# Allegro board IMX7D EVK BOARD REV D_160314.brd (continued)
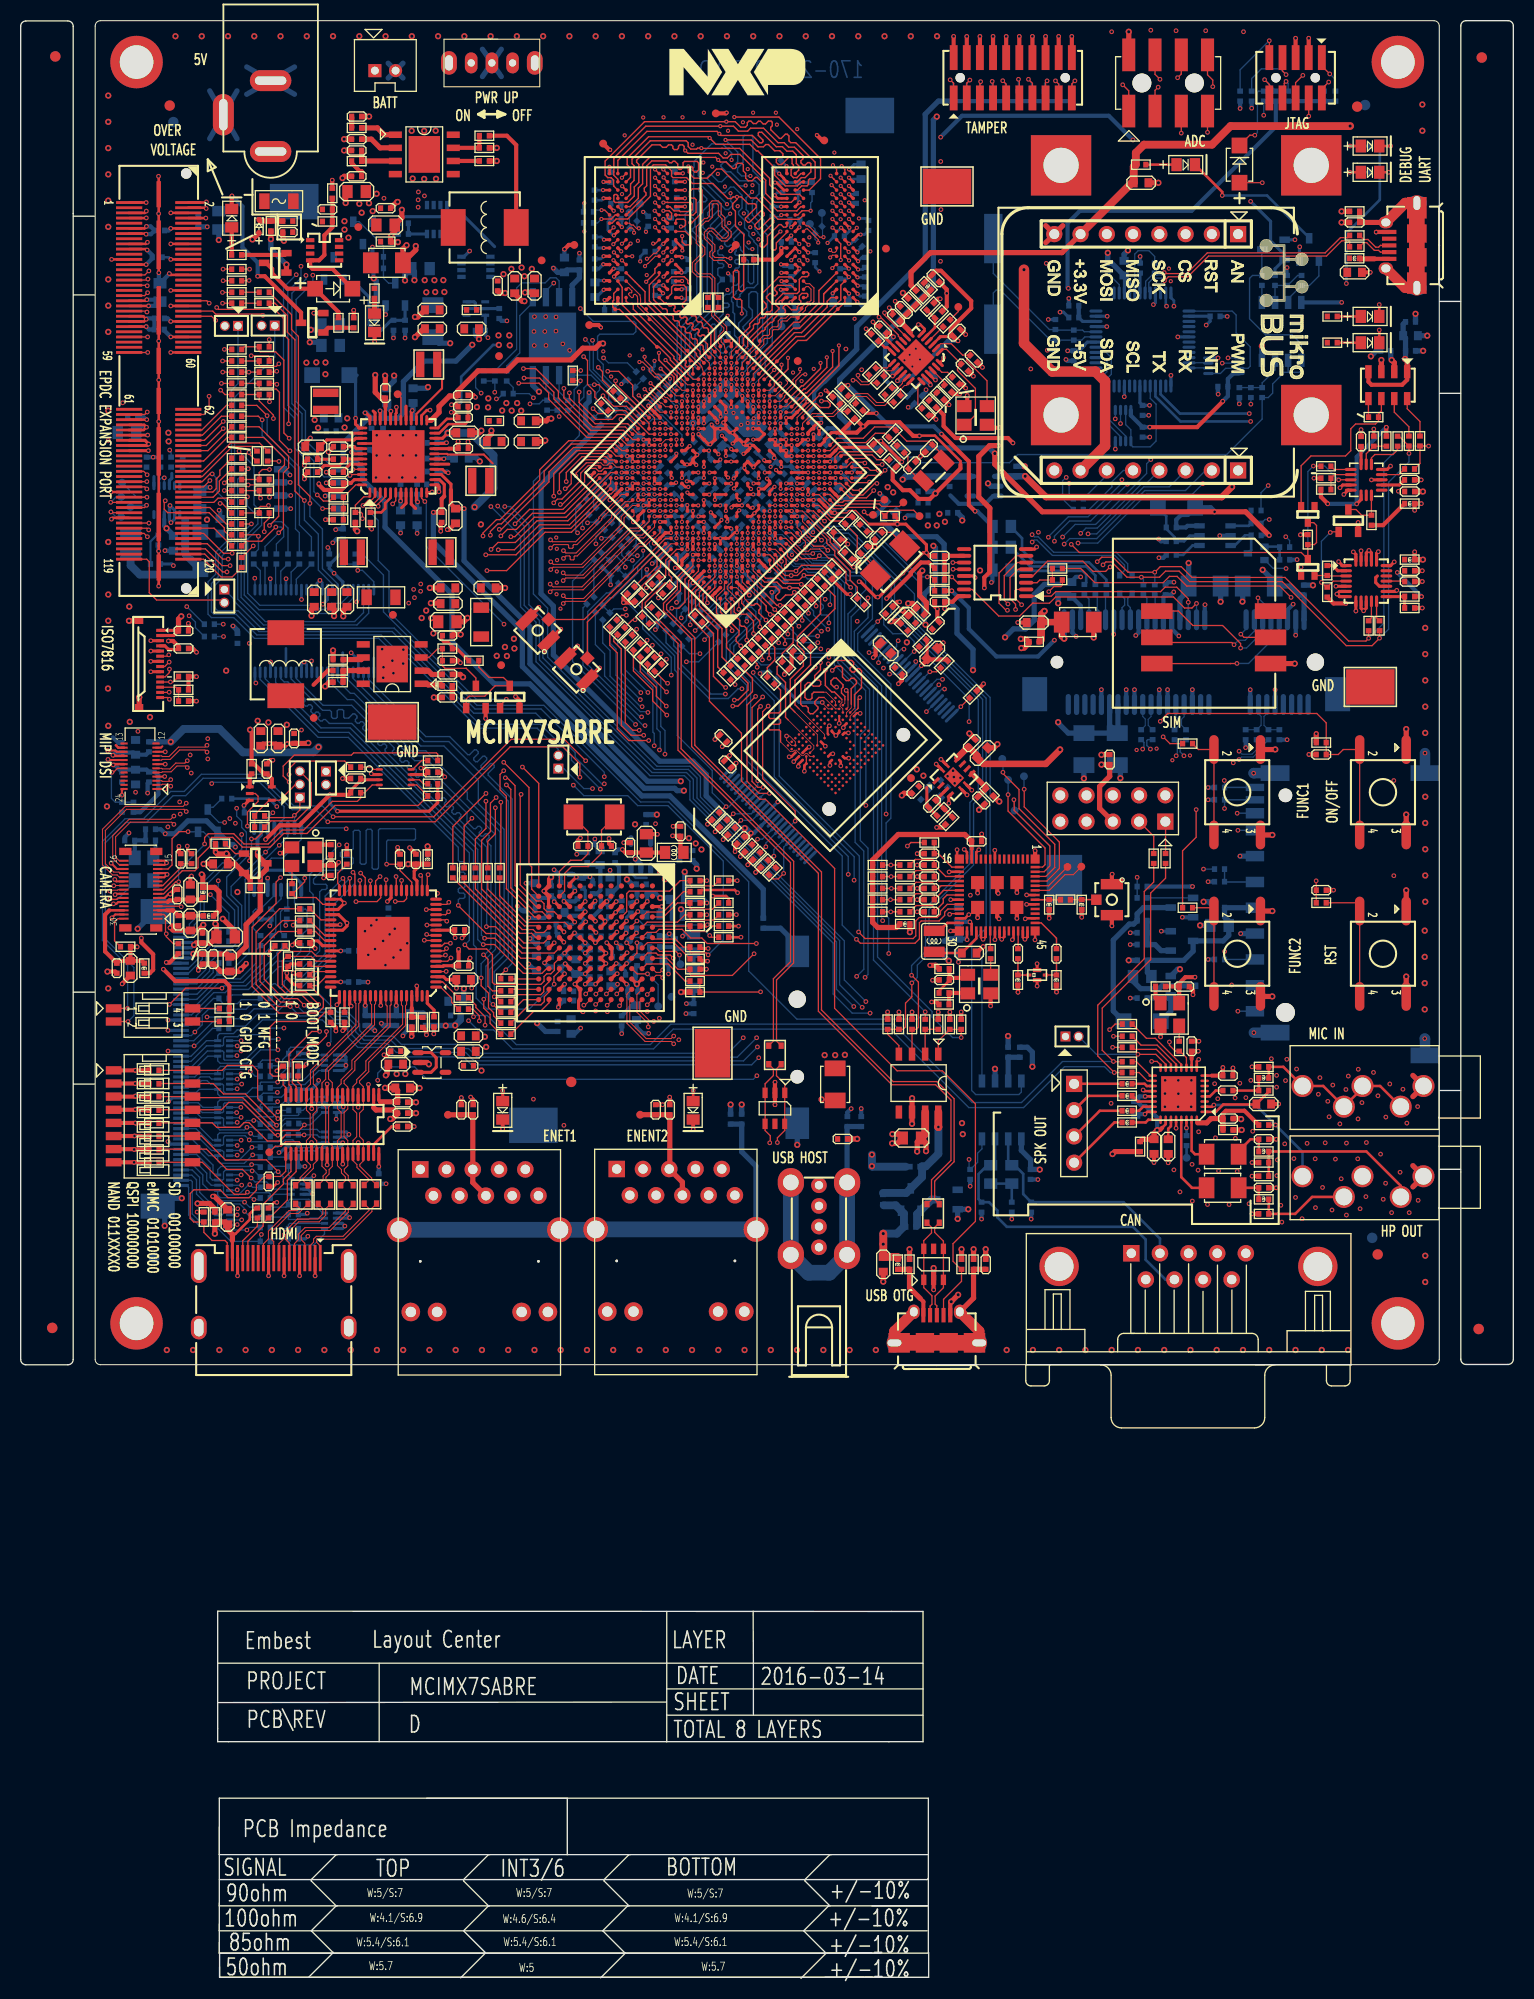
[diagram p0: board, top side]
## Footprints (pads in the part's own frame, mm; a bottom-side part is the same pattern mirrored in y, then rotated) (continued)
TSSOP48P5G
  oval 0.279x1.143 smd: 1(-5.75,-4) 2(-5.25,-4) 3(-4.75,-4) 4(-4.25,-4) 5(-3.75,-4) 6(-3.25,-4) 7(-2.75,-4) 8(-2.25,-4) 9(-1.75,-4) 10(-1.25,-4) 11(-0.75,-4) 12(-0.25,-4) 13(0.25,-4) 14(0.75,-4) 15(1.25,-4) 16(1.75,-4) 17(2.25,-4) 18(2.75,-4) 19(3.25,-4) 20(3.75,-4) 21(4.25,-4) 22(4.75,-4) 23(5.25,-4) 24(5.75,-4) 25(5.75,4) 26(5.25,4) 27(4.75,4) 28(4.25,4) 29(3.75,4) 30(3.25,4) 31(2.75,4) 32(2.25,4) 33(1.75,4) 34(1.25,4) 35(0.75,4) 36(0.25,4) 37(-0.25,4) 38(-0.75,4) 39(-1.25,4) 40(-1.75,4) 41(-2.25,4) 42(-2.75,4) 43(-3.25,4) 44(-3.75,4) 45(-4.25,4) 46(-4.75,4) 47(-5.25,4) 48(-5.75,4)
unnamed
  round 5.08 hole 3.251: 1(0,0)
unnamed#2
  round 1.016 smd: 1(0,0)
USB4_4AS
  round 1.519 hole 0.81: 1(5.54,0) 2(3.54,0) 3(1.54,0) 4(-0.46,0)
  oval 2.789x2.54 hole 1.519: 5(-0.73,2.72) 6(6.27,2.72) 7(-0.73,-2.72) 8(6.27,-2.72)
USBMICRO5_6A
  rect 0.406x1.397 smd: 1(-1.3,4.125) 2(-0.65,4.125) 3(0,4.125) 4(0.65,4.125) 5(1.3,4.125)
  oval 1.143x1.397 hole 0.762x0.889: 6(-2.225,4.45) 7(2.225,4.45)
  rect 2.083x1.905 hole 1.346x0.66: 8(-4.1,1.45) 11(4.1,1.45)
  rect 1.778x1.905 smd: 9(-1.15,1.45) 10(1.15,1.45)
X2S32X15
  rect 1.143x1.905 smd: 1(-1.4,0) 2(1.4,0)
X2S50X32
  rect 1.905x2.413 smd: 1(-2,0) 2(2,0)
X2S115X5
  rect 4.775x1.778 smd: 1(-4.318,0) 2(4.445,0)
X4S32X25
  rect 1.422x1.168 smd: 1(-1.1,-0.9) 2(1.1,-0.9) 3(1.1,0.9) 4(-1.1,0.9)

## Nets
3V3OUT: C240.1 U18.6(3V3OUT)
5VIN: C394.1 C395.1 F1.2 Q2.1(S1) Q2.2(S2) Q2.3(S3) Q17.2(EMITTER) R4.1 R538.1 R539.1
5VIN_DC_JACK: F1.1 J1.1(PIN)
AVDDL_CLK_ENET: C330.1 C331.1 C392.1 L47.2 U31.G4(AVDDL_CLK)
AVDDL_ENET: C332.1 C333.1 C412.1 L49.2 U31.F10(AVDDL1) U31.G10(AVDDL2)
GND: C1.2 C2.2 C3.2 C4.2 C5.2 C6.2 C7.2 C8.2 C9.2 C10.2 C11.2 C12.2 C13.2 C14.2 C15.2 C16.2 C17.2 C18.2 C19.2 C20.2 C21.2 C22.2 C23.2 C25.2 C26.2 C27.2 C28.2 C29.2 C30.2 C31.2 C32.2 C33.2 C34.2 C35.2 C36.2 C37.2 C38.2 C39.2 C40.2 C41.2 C42.2 C43.2 C44.2 C45.2 C46.2 C47.2 C48.2 C49.2 C50.2 C51.2 C52.2 C53.2 C54.2 C55.2 C56.2 C57.2 C58.2 C59.2 C60.2 C61.2 C62.2 C63.2 C64.2 C65.2 C66.2 C67.2 C68.2 C69.2 C70.2 C71.2 C72.2 C73.2 C74.2 C75.2 C76.2 C77.2 C78.2 C79.2 C80.2 C81.2 C82.2 C83.2 C84.2 C85.2 C86.2 C87.2 C88.2 C89.2 C90.2 C91.2 C92.2 C93.2 C94.2 C95.2 C96.2 C97.2 C98.2 C99.2 C100.2 C101.2 C102.2 C103.2 C104.2 C105.2 C106.2 C107.2 C108.2 C109.2 C110.2 C111.2 C112.2 C113.2 C114.2 C115.2 C116.2 C117.2 C118.2 C119.2 C120.2 C121.2 C122.2 C123.2 C124.2 C125.2 C126.2 C127.2 C128.2 C129.2 C130.2 C131.2 C136.2 C137.2 C138.2 C139.2 C140.2 C141.2 C142.2 C143.2 C144.2 C145.2 C146.2 C147.2 C148.2 C149.2 C150.2 C151.2 C152.2 C153.2 C154.2 C155.2 C156.2 C157.2 C158.2 C159.2 C160.2 C161.2 C162.2 C163.2 C164.2 C165.2 C166.2 C167.2 C168.2 C169.2 C170.2 C171.2 C172.2 C173.2 C174.2 C175.2 C176.2 C177.2 C178.2 C179.2 C180.2 C181.2 C182.2 C183.2 C184.2 C185.2 C186.2 C187.2 C188.2 C189.2 C190.2 C191.2 C192.2 C193.2 C195.2 C196.2 C197.2 C198.2 C199.2 C200.2 C201.2 C202.2 C203.2 C204.2 C205.2 C206.2 C209.2 C210.2 C211.2 C212.2 C213.2 C214.2 C215.2 C216.2 C217.2 C218.2 C219.2 C220.2 C221.2 C222.2 C223.2 C224.2 C225.2 C226.2 C227.2 C228.2 C229.1 C230.1 C231.2 C232.2 C233.2 C235.2 C237.2 C238.2 C239.2 C240.2 C241.2 C242.2 C243.1 C244.1 C245.2 C246.2 C247.2 C248.2 C249.2 C250.2 C251.2 C252.2 C253.2 C254.2 C255.2 C256.2 C257.2 C258.2 C259.2 C260.2 C261.2 C262.2 C263.2 C264.2 C265.2 C266.2 C267.2 C268.2 C269.2 C270.2 C271.2 C272.2 C273.2 C278.2 C279.2 C280.2 C281.2 C282.2 C283.2 C284.2 C298.2 C299.2 C300.1 C301.2 C302.2 C307.2 C308.2 C309.2 C310.2 C311.2 C313.2 C315.2 C316.2 C317.2 C318.2 C319.2 C320.2 C321.2 C322.2 C323.2 C324.2 C325.2 C326.2 C327.2 C328.2 C329.2 C330.2 C331.2 C332.2 C333.2 C334.2 C335.2 C336.2 C337.2 C338.2 C340.2 C341.2 C342.2 C343.2 C344.2 C345.2 C346.2 C347.2 C348.2 C349.2 C350.2 C351.2 C352.2 C353.2 C354.2 C355.2 C356.1 C357.2 C358.2 C359.2 C360.2 C361.2 C362.2 C363.2 C365.1 C366.2 C367.2 C368.2 C369.2 C370.2 C374.2 C375.2 C376.2 C378.2 C379.2 C380.2 C381.2 C383.2 C384.2 C385.2 C386.2 C387.2 C388.2 C389.2 C390.2 C391.2 C392.2 C393.2 C395.2 C396.2 C397.2 C398.2 C399.2 C400.2 C401.2 C404.2 C405.2 C406.1 C407.2 C408.2 C409.2 C410.2 C411.2 C412.2 C413.2 C414.2 C415.2 C416.2 C417.2 C418.2 C419.2 C420.1 C421.1 C422.1 C423.1 C426.2 C427.2 C428.2 C429.2 C430.2 C431.2 C432.2 C433.2 C434.2 C435.2 C438.2 C439.2 C444.2 C445.2 C446.2 C447.2 C448.2 C449.2 C450.2 C451.2 C452.2 C453.2 C454.2 C455.2 C456.2 C457.2 C460.2 C461.2 D1.2(CATHODE) D12.2(CATHODE) D13.2(CATHODE) D17.1(ANODE) D22.1 FL1.1(GND1) FL1.3(GND2) J1.2 J1.3(1) J2.2 J3.2(GND) J4.2(GND1) J4.3(GND2) J5.2(GND1) J5.3(GND2) J6.3(GND1) J6.6(GND2) J6.12(GND3) J6.13(GND4) J6.14(GND5) J6.15(GND6) J7.4(GND) J8.4(GND#4) J8.9(GND#9) J8.15(GND#15) J8.18(GND#18) J8.21(GND#21) J8.26(GND#26) J8.27(GND#27) J8.29(GND#29) J8.34(GND#34) J8.35(GND#35) J8.37(GND#37) J8.40(GND#40) J8.43(GND#43) J8.50(GND#50) J9.2 J9.5 J9.8 J9.11 J9.17 J9.20 J9.21 J9.22 J9.23 J10.2(GND1) J10.3(GND2) J11.5(P5) J12.3(GND#3) J12.5(GND#5) J13.6 J13.12 J13.18 J13.23 J13.24 J13.30 J13.36 J13.42 J13.48 J13.54 J13.60 J13.93 J13.103 J13.SH1 J13.SH2 J13.SH3 J13.SH4 J13.SH5 J13.SH6 J13.SH7 J13.SH8 J14.9(GND#9) J14.18(GND#18) J14.27(GND#27) J14.31(GND#31) J14.33(GND#33) J14.44(GND#44) J14.51 J14.52 J15.1 J16.1 J18.3(GND#3) J18.5(GND#5) J18.7(GND#7) J18.9(GND#9) J18.15(SH1) J18.16(SH2) J19.5 J19.6 J19.10(GND1) J19.11(GND2) J20.2 J22.2 J25.5(P5) J26.4(GND) J27.12(GRLC) J27.14(YELA) J28.12(GRLC) J28.14(YELA) J29.6(DGND1) J29.11(DNGD2) J29.12(DNGD3) J29.14(DGND4) J29.15(DGND5) J29.18(DGND6) J29.21(DGND7) J29.24(DGND8) J29.26(DGND9) J29.29(DGND10) J30.1(GND1) J30.4(GND2) J30.7(GND3) J30.10(GND4) J30.15(GND5) J30.17(GND6) J30.24(GND7) J31.2 J31.4 J31.6 J31.8 J31.10 J31.12 J31.14 J31.16 J31.18 J31.20 J32.8 J33.8 L16.1 L17.1 L55.1 L56.1 Q5.2(SOURCE) Q7.2(SOURCE) Q8.2(EMITTER) Q16.2(SOURCE) Q22.2(SOURCE) Q25.2(SOURCE) Q29.2(SOURCE) Q30.2(SOURCE) Q31.2(SOURCE) R8.2 R13.2 R15.2 R17.2 R18.2 R35.1 R66.2 R67.2 R68.2 R70.2 R71.2 R75.2 R76.2 R80.2 R81.1 R82.1 R83.1 R84.1 R86.1 R87.2 R88.2 R89.2 R133.2 R135.2 R136.1 R138.1 R140.2 R141.2 R146.2 R163.1 R174.2 R250.1 R251.1 R254.2 R256.2 R258.2 R261.2 R262.2 R272.2 R273.2 R274.2 R275.2 R276.2 R277.2 R278.2 R282.2 R283.2 R294.2 R324.2 R330.2 R341.2 R349.1 R361.2 R364.2 R367.2 R370.1 R480.2 R490.2 R493.2 R547.2 R549.2 R551.2 R567.1 R568.1 R602.1 R603.1 R604.1 R606.1 R608.1 R609.1 R611.2 R614.2 R615.1 R616.2 R625.1 R626.1 R629.2 R634.2 R635.2 R641.1 RN19.1 RN19.3 RN19.5 RN19.7 RN20.1 RN20.3 RN20.5 RN20.7 RN21.1 RN21.3 RN21.5 RN21.7 RN22.1 RN22.3 RN22.5 RN22.7 RN23.1 RN23.3 RN23.5 RN23.7 S1.1 S1.3 S2.1 S2.3 S3.1 S3.3 S4.1 S4.3 SW1.2(COM) TP14.1(PIN1) TP58.1(PIN1) TP60.1(PIN1) TP61.1(PIN1) TP62.1(PIN1) TP63.1(PIN1) TP64.1(PIN1) TP65.1(PIN1) TP66.1(PIN1) TP68.1(PIN1) TP69.1(PIN1) TP70.1(PIN1) TP71.1(PIN1) TP72.1(PIN1) TP73.1(PIN1) TP74.1(PIN1) TP75.1(PIN1) TVS1.1(A1) TVS2.1(A1) TVS3.1(A1) TVS4.1(A1) TVS5.1(A1) TVS6.1(A1) U2.9(GND) U3.9(GND) U4.12(GNDREF1) U4.26(GNDREF2) U4.31(VPWR) U4.40(GNDREF) U4.49(EPAD) U7.A1(VSS_001) U7.A3(VSS_002) U7.A6(VSS_003) U7.A9(VSS_004) U7.A13(VSS_005) U7.A17(VSS_006) U7.A21(VSS_007) U7.A25(VSS_008) U7.AA1(VSS_111) U7.AA2(VSS_112) U7.AA6(VSS_113) U7.AA8(VSS_114) U7.AA15(VSS_115) U7.AA23(VSS_116) U7.AB4(VSS_117) U7.AB5(VSS_118) U7.AB7(VSS_119) U7.AB9(VSS_120) U7.AB12(VSS_121) U7.AC6(VSS_122) U7.AC9(VSS_123) U7.AC12(VSS_124) U7.AC15(VSS_125) U7.AC17(VSS_126) U7.AC19(VSS_127) U7.AC21(VSS_128) U7.AC23(VSS_129) U7.AD2(VSS_130) U7.AD5(VSS_131) U7.AD7(VSS_132) U7.AD9(VSS_133) U7.AD12(VSS_134) U7.AE1(VSS_135) U7.AE5(VSS_136) U7.AE7(VSS_137) U7.AE9(VSS_138) U7.AE12(VSS_139) U7.AE24(VSS_140) U7.AE25(VSS_141) U7.B3(VSS_009) U7.B6(VSS_010) U7.B9(VSS_011) U7.B13(VSS_012) U7.B17(VSS_013) U7.B21(VSS_014) U7.C9(VSS_015) U7.C13(VSS_016) U7.C15(VSS_017) U7.C16(VSS_018) U7.C18(VSS_019) U7.C19(VSS_020) U7.D1(VSS_021) U7.D2(VSS_022) U7.D4(VSS_023) U7.D7(VSS_024) U7.D10(VSS_025) U7.D22(VSS_026) U7.F7(VSS_027) U7.F8(VSS_028) U7.F11(VSS_029) U7.F13(VSS_030) U7.G4(VSS_031) U7.G7(VSS_032) U7.G9(VSS_033) U7.G11(VSS_034) U7.G13(VSS_035) U7.G15(VSS_036) U7.G17(VSS_037) U7.G19(VSS_038) U7.G22(VSS_039) U7.H1(VSS_040) U7.H2(VSS_041) U7.J7(VSS_042) U7.J19(VSS_043) U7.K4(VSS_044) U7.K10(VSS_045) U7.K12(VSS_046) U7.K14(VSS_047) U7.K16(VSS_048) U7.K22(VSS_049) U7.L7(VSS_050) U7.L11(VSS_051) U7.L13(VSS_052) U7.L15(VSS_053) U7.L19(VSS_054) U7.M10(VSS_055) U7.M12(VSS_056) U7.M14(VSS_057) U7.M16(VSS_058) U7.M24(VSS_059) U7.M25(VSS_060) U7.N4(VSS_061) U7.N7(VSS_062) U7.N11(VSS_063) U7.N13(VSS_064) U7.N15(VSS_065) U7.N19(VSS_066) U7.P10(VSS_067) U7.P12(VSS_068) U7.P14(VSS_069) U7.P16(VSS_070) U7.R7(VSS_071) U7.R11(VSS_072) U7.R13(VSS_073) U7.R15(VSS_074) U7.R19(VSS_075) U7.R20(VSS_076) U7.R21(VSS_077) U7.R23(VSS_078) U7.T4(VSS_079) U7.T10(VSS_080) U7.T12(VSS_081) U7.T14(VSS_082) U7.T16(VSS_083) U7.T20(VSS_084) U7.U7(VSS_085) U7.U11(VSS_086) U7.U19(VSS_087) U7.U20(VSS_088) U7.U23(VSS_089) U7.V20(VSS_090) U7.W1(VSS_091) U7.W2(VSS_092) U7.W4(VSS_093) U7.W7(VSS_094) U7.W9(VSS_095) U7.W11(VSS_096) U7.W13(VSS_097) U7.W15(VSS_098) U7.W17(VSS_099) U7.W19(VSS_100) U7.W20(VSS_101) U7.W23(VSS_102) U7.Y6(VSS_103) U7.Y13(VSS_104) U7.Y14(VSS_105) U7.Y15(VSS_106) U7.Y16(VSS_107) U7.Y17(VSS_108) U7.Y18(VSS_109) U7.Y19(VSS_110) U8.A9(VSS1) U8.B1(VSSQ1) U8.B3(VSS2) U8.B9(VSSQ2) U8.D1(VSSQ3) U8.D8(VSSQ4) U8.E1(VSS3) U8.E2(VSSQ5) U8.E8(VSSQ6) U8.F9(VSSQ7) U8.G1(VSSQ8) U8.G8(VSS4) U8.G9(VSSQ9) U8.J2(VSS5) U8.J8(VSS6) U8.M1(VSS7) U8.M9(VSS8) U8.P1(VSS9) U8.P9(VSS10) U8.T1(VSS11) U8.T9(VSS12) U9.A9(VSS1) U9.B1(VSSQ1) U9.B3(VSS2) U9.B9(VSSQ2) U9.D1(VSSQ3) U9.D8(VSSQ4) U9.E1(VSS3) U9.E2(VSSQ5) U9.E8(VSSQ6) U9.F9(VSSQ7) U9.G1(VSSQ8) U9.G8(VSS4) U9.G9(VSSQ9) U9.J2(VSS5) U9.J8(VSS6) U9.M1(VSS7) U9.M9(VSS8) U9.P1(VSS9) U9.P9(VSS10) U9.T1(VSS11) U9.T9(VSS12) U10.A6(VSS#A6) U10.C4(VSSQ#C4) U10.E7(VSS#E7) U10.G5(VSS#G5) U10.H10(VSS#H10) U10.J5(VSS#J5) U10.K8(VSS#K8) U10.N2(VSSQ#N2) U10.N5(VSSQ#N5) U10.P4(VSSQ#P4) U10.P6(VSSQ#P6) U11.4(VSS) U11.9(EPAD) U12.13(VSS#13) U12.36(VSS#36) U13.37(SD3) U13.39(SD2) U13.40(SD1) U13.43(CGND) U13.55(RSVDL) U13.57(IOGND) U13.63(AGND) U13.70(VDDQ) U13.73(EPAD) U14.2(GND) U15.3(GND3) U15.5(TMDS_GND5) U15.8(TMDS_GND_8) U15.11(TMDS_GND_11) U15.14(TMDS_GND_14) U15.25(TMDS_GND_25) U15.28(TMDS_GND_28) U15.31(TMDS_GND_31) U15.34(TMDS_GND_34) U15.36(GND36) U16.1(GND#1) U16.9(GND#9) U16.13(GND#13) U16.15(GND#15) U16.16(GND#16) U16.18(GND#18) U16.24(GND#24) U16.28(GND#28) U16.30(GND#30) U16.34(GND#34) U16.35(GND#35) U16.37(GND#37) U16.38(GND#38) U16.39(GND#39) U16.41(GND#41) U16.43(GND#43) U16.44(GND#44) U16.45(GND#45) U16.47(GND#47) U16.50(GND#50) U16.52(GND#52) U16.59(GND#59) U16.60(GND#60) U16.61(GND#61) U16.62(GND#62) U16.63(GND#63) U16.64(GND#64) U17.4(GND) U18.9(GND#9) U18.18(GND#18) U18.25(GND#25) U18.34(GND#34) U18.45(AGND) U18.47(TEST) U19.4(GND) U20.1(GND#1) U20.5(GND#5) U20.6(RESERVED1) U20.7(RESERVED2) U20.8(IIC_B/SPI) U20.9(RESERVED3) U20.10(RESERVED4) U20.14(GND#14) U20.19(GND#19) U20.20(RESERVED5) U20.21(RESERVED6) U20.22(RESERVED7) U20.23(RESERVED8) U20.24(RESERVED9) U21.3(RESERVED1) U21.5(GND#5) U21.12(GND#12) U21.13(RESERVED2) U22.3(GND) U23.6(GND) U24.9(DGND) U24.20(SPKGND2) U24.24(SPKGND1) U24.28(AGND) U24.33(GND_PADDLE) U25.2(GND) U27.2(GND) U28.2(GND) U30.6(GND) U31.A3(GND_1) U31.B10(GND_2) U31.C3(GND_3) U31.C6(GND_4) U31.C10(GND_5) U31.E3(GND_6) U31.E7(GND_7) U31.E8(GND_8) U31.F4(GND_9) U31.F5(GND_10) U31.F6(GND_11) U31.G3(GND_12) U31.G5(GND_13) U31.G6(GND_14) U31.G7(GND_15) U31.G8(GND_16) U31.G9(GND_17) U31.H6(GND_18) U31.H10(GND_19) U31.H11(GND_20) U31.H12(GND_21) U31.J1(GND_22) U31.J9(GND_23) U31.K10(GND_24) U31.K11(GND_25) U31.K12(GND_26) U31.L1(GND_27) U31.L2(GND_28) U31.L3(GND_29) U31.L8(GND_30) U33.2(GND) U35.4(GND) U35.9(EP1) U35.10(EP2) U35.11(EP3) U35.12(EP4) U35.13(EP5) U36.4(GND#4) U36.10(GND#10) U36.13(2B0) U36.14(2B1) U36.15(GND#15) U36.21(GND#21) U36.24(2DIR) U36.28(GND#28) U36.34(GND#34) U36.37(1A7) U36.38(1A6) U36.39(GND#39) U36.45(GND#45) U37.2(VSS) U38.8(GND) U38.13(O\E\) U39.3(GND) U40.4(V-) U41.1(A0) U41.2(A1) U41.3(A2) U41.4(VSS) U41.7(WP) U42.6(GNDDIG) U42.10(GND_1) U42.15(GNDA) U42.21(GND_2) U42.24(GNDXTAL) U42.25(EPAD) U43.8(PGND) U43.9(AGND) U44.2(GND) U45.2(GND) X1.2(GND) X2.2(GND) X3.2(GND) X4.2(GND) Y3.2 Y3.4
GND_EARTH: C353.1 J27.15(GND#15) J27.16(GND#16) J28.15(GND#15) J28.16(GND#16) R258.1
PVCC_ENET_CAP: C115.1 U7.H14(PVCC_ENET_CAP)
PVCC_GPIO_CAP: C100.1 U7.V10(PVCC_GPIO_CAP)
PVCC_I2C_SPI_UART_CAP: C128.1 U7.R9(PVCC_I2C_SPI_UART_CAP)
PVCC_SAI_SD_CAP: C111.1 U7.J9(PVCC_SAI_SD_CAP)
VCCI_EMMC: C191.1 U10.C2(VDDI)
VDD_1P2_CAP: C88.1 C89.1 U7.H12(USB_VDD_H_1P2) U7.U9(VDD_1P2_CAP)
VDD_ARM_IN: C63.1 C64.1 C65.1 C71.1 C72.1 C73.1 R20.1 TP4.1(PIN1) U4.6(SW1AFB) U7.C17(VDD_ARM_IN_01) U7.C20(VDD_ARM_IN_02) U7.D17(VDD_ARM_IN_03) U7.D20(VDD_ARM_IN_04) U7.F22(VDD_ARM_IN_05) U7.F23(VDD_ARM_IN_06) U7.J22(VDD_ARM_IN_07) U7.J23(VDD_ARM_IN_08)
VDD_LPSR_1P0_CAP: C97.1 U7.AC5(VDD_LPSR_1P0_CAP)
VDD_LPSR_IN: C96.1 R32.2 U7.W6(VDD_LPSR_IN)
VDD_OTG1_1P0_CAP: C119.1 C120.1 U7.H10(VDD_USB_OTG1_1P0_CAP)
VDD_OTG2_1P0_CAP: C125.1 C126.1 U7.J11(VDD_USB_OTG2_1P0_CAP)
VDD_SD1: C195.1 C196.1 J6.4(VDD) Q6.3(DRAIN) R102.1 R103.2
VDD_SNVS_1P8_CAP: C95.1 R225.1 R226.1 R228.1 R230.1 R232.1 R234.1 R236.1 R239.1 R241.1 R242.1 U7.AE8(VDD_SNVS_1P8_CAP)
VDD_SOC_IN: C68.1 C69.1 C70.1 C79.1 C80.1 C81.1 C82.1 C83.1 C84.1 C85.1 R24.1 TP5.1(PIN1) U4.11(SW1BFB) U7.C14(VDD_SOC_IN_01) U7.D14(VDD_SOC_IN_02) U7.F3(VDD_SOC_IN_03) U7.F4(VDD_SOC_IN_04) U7.F18(VDD_SOC_IN_05) U7.F19(VDD_SOC_IN_06) U7.J3(VDD_SOC_IN_07) U7.J4(VDD_SOC_IN_08) U7.M3(VDD_SOC_IN_09) U7.M4(VDD_SOC_IN_10) U7.P18(VDD_SOC_IN_11) U7.R3(VDD_SOC_IN_12) U7.R4(VDD_SOC_IN_13) U7.R17(VDD_SOC_IN_14) U7.T18(VDD_SOC_IN_15) U7.U13(VDD_SOC_IN_16) U7.U15(VDD_SOC_IN_17) U7.U17(VDD_SOC_IN_18) U7.V12(VDD_SOC_IN_19) U7.V14(VDD_SOC_IN_20) U7.V16(VDD_SOC_IN_21) U7.V18(VDD_SOC_IN_22)
VDD_SPK: C269.1 C270.1 R311.2 U24.21(SPKVDD2) U24.26(SPKVDD1)
VDD_WLAN: C232.1 C233.1 L14.2 U16.31(VBAT#31) U16.32(VBAT#32)
VDD_WLCK36: C237.1 R148.1 R329.1 X1.4(VCC)
VDDA_1P0_CAP: C86.1 C87.1 U7.V3(VDDA_1P0_CAP)
VDDA_1P8: C90.1 C91.1 C107.1 L52.2 U7.V5(VDD_XTAL_1P8) U7.V6(VDDA_1P8_01) U7.W5(VDDA_1P8_02)
VDDA_ADC_1P8: C130.1 C131.1 C362.1 L8.2 U7.AB3(VDDA_ADC2_1P8) U7.AC3(VDDA_ADC1_1P8) U7.AC4(VDD_TEMPSENSOR_1P8) U33.5(OUT)
VDDA_PHY_1P8: C66.1 C67.1 C78.1 C357.1 U7.J13(VDDA_MIPI_1P8) U7.Y9(VDDA_PHY_1P8) U7.Y10(PCIE_VPH) U7.Y11(PCIE_VPH_TX) U7.Y12(PCIE_VPH_RX)
VDDD_1P0_CAP: C74.1 C75.1 C76.1 C77.1 U7.AA9(VDDD_1P0_CAP) U7.AA10(PCIE_VP) U7.AA11(PCIE_VP_TX) U7.AA12(PCIE_VP_RX) U7.J15(VDD_MIPI_1P0_01) U7.J17(VDD_MIPI_1P0_02)
32K768_OUT: R492.2 X1.3(OUT)
ACC_I2C_SCL: R501.2 U21.4(SCL/SCLK)
ACC_I2C_SDA: R502.2 U21.6(SDA/MOSI)
ACC_INT_B: D14.1(NODE1) R303.2 U21.11(INT1)
ACCL_3V3: C248.1 L21.2 R362.2 R363.2 R386.1 U21.1(VDDIO) U21.14(VDD)
ADC1_IN1: J22.4 U7.AD3(ADC1_IN1)
ADC1_IN2: J22.6 U7.AE2(ADC1_IN2)
ADC1_IN3: J22.8 U7.AE3(ADC1_IN3)
ADC2_IN0: J22.1 U7.AC1(ADC2_IN0)
ADC2_IN1: J22.3 U7.AC2(ADC2_IN1)
ADC2_IN2: J22.5 U7.AB1(ADC2_IN2)
ADC2_IN3: J22.7 U7.AB2(ADC2_IN3)
ALT_I2C_SCL: R505.2 U22.8(SCL)
ALT_I2C_SDA: R503.2 U22.7(SDA)
ALT_INT_B: D24.2(NODE2) R302.2 U22.6(INT1)
ALTI_3V3: C251.1 C252.1 L22.2 U22.1(VDD) U22.4(VDDIO)
ANT_OUT: L56.2 R560.1 U16.51(ANT)
AUD_3V3: C271.1 R312.2 R366.2 U24.32(AVDD)
AUD_I2C_SCL: R515.2 U24.17(SCLK)
AUD_I2C_SDA: R520.2 U24.18(SDIN)
AUDIO_MCLK: R110.2 R478.2 U24.11(MCLK)
AUDIO_RXD: R485.2 U24.16(ADCDAT)
AUDIO_TXC: R486.2 U24.12(BCLK)
AUDIO_TXD: R483.2 U24.14(DACDAT)
AUDIO_TXFS: R487.2 U24.13(DACLRC)
BAT_IN: J2.1 Q32.5(D1) Q32.6(D2) Q32.7(D3) Q32.8(D4)
BI2C2_SCL: J9.15 R145.2 U15.22(DDC_CLK_OUT)
BI2C2_SDA: J9.16 R144.2 U15.21(DDC_DAT_OUT)
BOOT_MODE0: SW3.2(A2) U7.P4(BOOT_MODE0)
BOOT_MODE1: SW3.1(A1) U7.P5(BOOT_MODE1)
BT_CFG0: R183.2 R196.1 RN19.8
BT_CFG1: R184.2 R195.1 RN19.6
BT_CFG2: R185.2 R199.1 RN19.4
BT_CFG3: R186.2 R197.1 RN19.2
BT_CFG4: R204.1 R320.2 RN20.8 SW2.9
BT_CFG5: R203.1 R319.2 RN20.6 SW2.10
BT_CFG6: R206.1 R318.2 RN20.4 SW2.11
BT_CFG7: R187.2 R205.1 RN20.2
BT_CFG8: R188.2 R208.1 RN21.8
BT_CFG9: R189.2 R207.1 RN21.6
BT_CFG10: R210.1 R317.2 RN21.4 SW2.12
BT_CFG11: R209.1 R316.2 RN21.2 SW2.13
BT_CFG12: R211.1 R315.2 RN22.8 SW2.14
BT_CFG13: R213.1 R314.2 RN22.6 SW2.15
BT_CFG14: R212.1 R313.2 RN22.4 SW2.16
BT_CFG15: R190.2 R214.1 RN22.2
BT_CFG16: R191.2 R215.1 RN23.8
BT_CFG17: R192.2 R217.1 RN23.6
BT_CFG18: R193.2 R216.1 RN23.4
BT_CFG19: R194.2 R218.1 RN23.2
BT_REG_ON: U7.J6(ECSPI2_SS0) U16.26(BT_REG_ON)
BUF_RGMII2_RX_CTL: R345.2 U36.32(2A3)
BUF_RGMII2_RXC: R346.2 U36.33(2A2)
BUF_RGMII2_RXD0: R461.2 U36.26(2A7)
BUF_RGMII2_RXD1: R460.2 U36.27(2A6)
BUF_RGMII2_RXD2: R463.2 U36.29(2A5)
BUF_RGMII2_RXD3: R462.2 U36.30(2A4)
BUF_RGMII2_TX_CTL: R343.1 U36.3(1B1)
BUF_RGMII2_TXC: R344.1 U36.2(1B0)
BUF_RGMII2_TXD0: R467.1 U36.9(1B5)
BUF_RGMII2_TXD1: R466.1 U36.8(1B4)
BUF_RGMII2_TXD2: R465.1 U36.6(1B3)
BUF_RGMII2_TXD3: R464.1 U36.5(1B2)
BYP_CAP: C249.1 U21.2(BYP)
CAMERA_I2C_SCL: J29.7(SIOC) R639.1 U45.4(A2)
CAMERA_I2C_SDA: J29.8(SIOD) R638.1 U45.5(A1)
CAMERA_PWDN: J29.13(PWDN) Q36.2(SOURCE) R636.2
CAN2_RX: U7.T5(GPIO1_IO14) U25.4(RXD)
CAN2_TX: U7.T6(GPIO1_IO15) U25.1(TXD)
CAN_5V: C279.1 R243.2 U25.3(VDD)
CAN_STB: R244.2 R431.2 U25.8(STB)
CANH: C282.1 J19.7 R245.1 U25.7(CANH)
CANL: C281.1 J19.2 R246.1 U25.6(CANL)
CKPWRGD_PD: R609.2 R610.1 R621.1 U42.22(C\K\P\W\R\G\D\_\P\D\)
CODEC_GPIO_INT: J40.2(E2) U24.15(ADCLRC/GPIO1)
CSI_AGND: J29.2(AF_GND) J29.4(AGND) R629.1
CSI_I2C_SCL: R516.2 U45.1(B2)
CSI_I2C_SDA: R521.2 U45.8(B1)
CSI_PWDN: Q36.3(DRAIN) R637.2 U38.6(Q6)
CSI_RESET: C456.1 J29.9(RESET) R630.2
CSI_XCLK: J29.25(XCLK) X4.3(OUT)
D_USB_DN: J11.2(P2) R160.1
D_USB_DP: J11.3(P3) R158.1
DBG_5V: J11.1(P1) L19.1
DBG_DA: R165.2 U18.2(EEDATA)
DBG_RXLED1: D8.1(ANODE) R161.2
DBG_RXLED2: D10.1(ANODE) R166.2
DBG_TXLED1: D9.1(ANODE) R162.2
DBG_TXLED2: D11.1(ANODE) R167.2
DBG_XTIN: C243.2 R164.1 U18.43(XTIN) Y4.2
DBG_XTOUT: C244.2 R164.2 U18.44(XTOUT) Y4.1
DC_SW: R540.2 SW1.1(NO)
DC_SW_CTL: C394.2 D20.2(C) Q2.4(G) R539.2 R540.1
DDR_SDCLK0_N: R618.1 U7.AD25(DRAM_SDCLK0_N)
DDR_SDCLK0_P: R617.1 U7.AD24(DRAM_SDCLK0_P)
DDR_VREF: C29.1 C136.1 C137.1 C138.1 C139.1 C141.1 U4.25(VREFDDR) U7.AC13(DRAM_VREF) U8.H1(VREFDQ) U8.M8(VREFCA) U9.H1(VREFDQ) U9.M8(VREFCA)
DEBUG_V50: C239.1 C358.1 C359.1 C360.1 L19.2 R157.1 R161.1 R162.1 R165.1 R166.1 R167.1 R294.1 U18.3(VCC#3) U18.4(RESET_B) U18.14(VCCIOA) U18.31(VCCIOB) U18.42(VCC#42)
DRAM0_ZQ: R83.2 U8.L8(ZQ)
DRAM0_ZQ1: R81.2 U8.L9(NC_L9)
DRAM1_ZQ: R84.2 U9.L8(ZQ)
DRAM1_ZQ1: R82.2 U9.L9(NC_L9)
DRAM_ADDR0: U7.AB19(DRAM_ADDR00) U8.N3(A0) U9.N3(A0)
DRAM_ADDR1: U7.AB16(DRAM_ADDR01) U8.P7(A1) U9.P7(A1)
DRAM_ADDR2: U7.AC18(DRAM_ADDR02) U8.P3(A2) U9.P3(A2)
DRAM_ADDR3: U7.AC20(DRAM_ADDR03) U8.N2(A3) U9.N2(A3)
DRAM_ADDR4: U7.AB21(DRAM_ADDR04) U8.P8(A4) U9.P8(A4)
DRAM_ADDR5: U7.Y23(DRAM_ADDR05) U8.P2(A5) U9.P2(A5)
DRAM_ADDR6: U7.V22(DRAM_ADDR06) U8.R8(A6) U9.R8(A6)
DRAM_ADDR7: U7.Y22(DRAM_ADDR07) U8.R2(A7) U9.R2(A7)
DRAM_ADDR8: U7.W22(DRAM_ADDR08) U8.T8(A8) U9.T8(A8)
DRAM_ADDR9: U7.V23(DRAM_ADDR09) U8.R3(A9) U9.R3(A9)
DRAM_ADDR10: U7.T23(DRAM_ADDR10) U8.L7(A10/AP) U9.L7(A10/AP)
DRAM_ADDR11: U7.U22(DRAM_ADDR11) U8.R7(A11) U9.R7(A11)
DRAM_ADDR12: U7.T22(DRAM_ADDR12) U8.N7(A12/B\C\) U9.N7(A12/B\C\)
DRAM_ADDR13: U7.P23(DRAM_ADDR13) U8.T3(A13) U9.T3(A13)
DRAM_ADDR14: U7.AB18(DRAM_ADDR14) U8.T7(A14) U9.T7(A14)
DRAM_ADDR15: U7.AB20(DRAM_ADDR15) U8.M7(NC_M7) U9.M7(NC_M7)
DRAM_CAS_B: U7.AC14(D\R\A\M\_\C\A\S\) U8.K3(C\A\S\) U9.K3(C\A\S\)
DRAM_CS0_B: U7.AB23(D\R\A\M\_\C\S\0\) U8.L2(C\S\) U9.L2(C\S\)
DRAM_CS1_B: U7.AA22(D\R\A\M\_\C\S\1\) U8.L1(NC_L1) U9.L1(NC_L1)
DRAM_DATA0: U7.AD22(DRAM_DATA00) U8.D7(DQ8)
DRAM_DATA1: U7.AD23(DRAM_DATA01) U8.C8(DQ10)
DRAM_DATA2: U7.AE20(DRAM_DATA02) U8.C3(DQ9)
DRAM_DATA3: U7.AE23(DRAM_DATA03) U8.B8(DQ14)
DRAM_DATA4: U7.AE22(DRAM_DATA04) U8.A7(DQ12)
DRAM_DATA5: U7.AD19(DRAM_DATA05) U8.A3(DQ15)
DRAM_DATA6: TP15.1(PIN1) TP16.1(PIN1) U7.AD18(DRAM_DATA06) U8.A2(DQ13)
DRAM_DATA7: U7.AE19(DRAM_DATA07) U8.C2(DQ11)
DRAM_DATA8: U7.AE14(DRAM_DATA08) U8.E3(DQ0)
DRAM_DATA9: U7.AE18(DRAM_DATA09) U8.H8(DQ5)
DRAM_DATA10: U7.AE17(DRAM_DATA10) U8.F8(DQ3)
DRAM_DATA11: U7.AD16(DRAM_DATA11) U8.H7(DQ7)
DRAM_DATA12: U7.AE16(DRAM_DATA12) U8.F7(DQ1)
DRAM_DATA13: U7.AD14(DRAM_DATA13) U8.H3(DQ4)
DRAM_DATA14: U7.AD13(DRAM_DATA14) U8.G2(DQ6)
DRAM_DATA15: U7.AE13(DRAM_DATA15) U8.F2(DQ2)
DRAM_DATA16: U7.AA25(DRAM_DATA16) U9.D7(DQ8)
DRAM_DATA17: U7.W24(DRAM_DATA17) U9.C8(DQ10)
DRAM_DATA18: TP17.1(PIN1) TP18.1(PIN1) U7.V25(DRAM_DATA18) U9.B8(DQ14)
DRAM_DATA19: U7.W25(DRAM_DATA19) U9.A7(DQ12)
DRAM_DATA20: U7.AC25(DRAM_DATA20) U9.A2(DQ13)
DRAM_DATA21: U7.AB25(DRAM_DATA21) U9.C3(DQ9)
DRAM_DATA22: U7.AB24(DRAM_DATA22) U9.A3(DQ15)
DRAM_DATA23: U7.AC24(DRAM_DATA23) U9.C2(DQ11)
DRAM_DATA24: U7.R25(DRAM_DATA24) U9.E3(DQ0)
DRAM_DATA25: U7.N24(DRAM_DATA25) U9.H8(DQ5)
DRAM_DATA26: U7.P25(DRAM_DATA26) U9.H7(DQ7)
DRAM_DATA27: U7.N25(DRAM_DATA27) U9.F8(DQ3)
DRAM_DATA28: U7.U25(DRAM_DATA28) U9.G2(DQ6)
DRAM_DATA29: U7.R24(DRAM_DATA29) U9.F7(DQ1)
DRAM_DATA30: U7.U24(DRAM_DATA30) U9.H3(DQ4)
DRAM_DATA31: U7.V24(DRAM_DATA31) U9.F2(DQ2)
DRAM_DQM0: U7.AD20(DRAM_DQM0) U8.D3(UDM)
DRAM_DQM1: U7.AD17(DRAM_DQM1) U8.E7(LDM)
DRAM_DQM2: U7.AA24(DRAM_DQM2) U9.D3(UDM)
DRAM_DQM3: U7.P24(DRAM_DQM3) U9.E7(LDM)
DRAM_ODT0: U7.AC16(DRAM_ODT0) U8.K1(ODT) U9.K1(ODT)
DRAM_ODT1: U7.AA14(DRAM_ODT1) U8.J1(NC_J1) U9.J1(NC_J1)
DRAM_RAS_B: U7.AB15(D\R\A\M\_\R\A\S\) U8.J3(R\A\S\) U9.J3(R\A\S\)
DRAM_RESET: R87.1 U7.AC22(DRAM_RESET) U8.T2(R\E\S\E\T\) U9.T2(R\E\S\E\T\)
DRAM_SDBA0: U7.R22(DRAM_SDBA0) U8.M2(BA0) U9.M2(BA0)
DRAM_SDBA1: U7.P22(DRAM_SDBA1) U8.N8(BA1) U9.N8(BA1)
DRAM_SDBA2: U7.N23(DRAM_SDBA2) U8.M3(BA2) U9.M3(BA2)
DRAM_SDCKE0: R89.1 U7.AB17(DRAM_SDCKE0) U8.K9(CKE) U9.K9(CKE)
DRAM_SDCKE1: R88.1 U7.AB22(DRAM_SDCKE1) U8.J9(NC_J9) U9.J9(NC_J9)
DRAM_SDCLK0_N: R90.1 R91.1 R618.2 TP23.1(PIN1) TP24.1(PIN1) U8.K7(C\K\) U9.K7(C\K\)
DRAM_SDCLK0_P: R90.2 R91.2 R617.2 TP21.1(PIN1) TP22.1(PIN1) U8.J7(CK) U9.J7(CK)
DRAM_SDQS0_N: TP41.1(PIN1) TP42.1(PIN1) U7.AD21(DRAM_SDQS0_N) U8.B7(U\D\Q\S\)
DRAM_SDQS0_P: TP40.1(PIN1) TP43.1(PIN1) U7.AE21(DRAM_SDQS0_P) U8.C7(UDQS)
DRAM_SDQS1_N: U7.AE15(DRAM_SDQS1_N) U8.G3(L\D\Q\S\)
DRAM_SDQS1_P: U7.AD15(DRAM_SDQS1_P) U8.F3(LDQS)
DRAM_SDQS2_N: TP44.1(PIN1) TP46.1(PIN1) U7.Y25(DRAM_SDQS2_N) U9.B7(U\D\Q\S\)
DRAM_SDQS2_P: TP45.1(PIN1) TP47.1(PIN1) U7.Y24(DRAM_SDQS2_P) U9.C7(UDQS)
DRAM_SDQS3_N: U7.T25(DRAM_SDQS3_N) U9.G3(L\D\Q\S\)
DRAM_SDQS3_P: U7.T24(DRAM_SDQS3_P) U9.F3(LDQS)
DRAM_SDWE_B: U7.AB14(D\R\A\M\_\S\D\W\E\) U8.L3(W\E\) U9.L3(W\E\)
DRAM_ZQ: R86.2 U7.AB13(DRAM_ZQPAD)
ENET_1V0: C313.1 C320.1 C325.1 C326.1 C327.1 C334.1 C411.1 C415.1 L42.1 L44.2 L47.1 L49.1 L54.2 R642.1 U31.D5(DVDD1) U31.K5(DVDD2) U31.K6(DVDD3) U31.L7(DVDD4) U44.5(VOUT)
ENET_3V3: C315.1 C317.1 C318.1 C319.1 C337.1 C338.1 C340.1 C341.1 C342.1 C343.1 C344.1 C345.1 C346.1 C393.1 C409.1 C410.1 L43.1 L46.2 L48.2 R263.1 R271.1 R643.1 U31.C4(OVDD_LED1) U31.D6(OVDD1) U31.E5(OVDD_LED2) U31.E6(OVDD2) U31.E10(AVDDH4) U31.F7(AVDDH1) U31.F8(AVDDH2) U31.F9(AVDDH3) U31.H5(OVDD_RGMII_P0_0) U31.J6(OVDD_RGMII_P0_1) U31.J7(OVDD_RGMII_P1) U44.1(VIN) U44.3(EN)
ENET_EN_B: R332.2 R619.2 U36.25(2\O\E\) U36.48(1\O\E\)
ENET_INT_B: R263.2 R265.1 U7.M1(UART3_RXD)
ENET_MDC: R495.1 U7.T1(GPIO1_IO11)
ENET_MDIO: R271.2 U7.R5(GPIO1_IO10) U31.A6(MDIO)
ENET_RST_B: R275.1 U31.A8(R\E\S\E\T\) U38.5(Q5)
EPD_I2C_SCL: J13.31 R512.2
EPD_I2C_SDA: J13.29 R510.2
EPDC_BDR0: J13.76 R118.2
EPDC_BDR1: J13.74 R117.2
EPDC_GDCLK: J13.94 R408.2
EPDC_GDOE: J13.98 R409.2
EPDC_GDRL: J13.100 R411.2
EPDC_GDSP: J13.96 R410.2
EPDC_PMIC_CTL: J13.85 U7.L1(I2C4_SCL)
EPDC_PMIC_INT_B: R181.1 R407.2
EPDC_PMIC_PG: J13.86 R583.2
EPDC_PMIC_WAKEUP_B: R180.1 R406.2
EPDC_PWRCTRL0: J13.88 R582.2
EPDC_SDCE0: J13.72 R404.2
EPDC_SDCE1: J13.70 R405.2
EPDC_SDCLK: J13.40 J13.102 R400.2
EPDC_SDDO0: J13.43 R388.2
EPDC_SDDO1: J13.116 R389.2
EPDC_SDDO2: J13.110 R390.2
EPDC_SDDO3: J13.114 R391.2
EPDC_SDDO4: J13.44 R396.2
EPDC_SDDO5: J13.46 R397.2
EPDC_SDDO6: J13.118 R399.2
EPDC_SDDO7: J13.120 R398.2
EPDC_SDDO8: J13.53 R424.2
EPDC_SDDO9: J13.59 R425.2
EPDC_SDDO10: J13.89 R427.2
EPDC_SDDO11: J13.63 R426.2
EPDC_SDDO12: J13.91 R432.2
EPDC_SDDO13: J13.105 R433.2
EPDC_SDDO14: J13.107 R435.2
EPDC_SDDO15: J13.109 R434.2
EPDC_SDLE: J13.78 R401.2
EPDC_SDOE: J13.108 R403.2
EPDC_SDSHR: J13.82 R402.2
ESPI3_MISO: R358.1 R416.2 U23.12(DOUT)
ESPI3_MOSI: R357.1 R417.2 U23.14(DIN)
ESPI3_SCLK: R356.1 R419.2 U23.16(DCLK)
EXT_FILTER_2G_FEM: C403.2 U16.42(EXTFILTER_2GFEM)
EXT_FILTER_DIP: C402.1 U16.46(EXTFILTER_DIP)
FT_RX1: U17.3(2Y) U18.23(ADBUS1)
FT_RX2: U18.39(BDBUS1) U19.3(2Y)
FT_TX1: U17.2(1A) U18.24(ADBUS0)
FT_TX2: U18.40(BDBUS0) U19.2(1A)
FUSE_FSOURCE: C93.1 R30.2 U7.V8(FUSE_FSOURCE)
GPIO1_IO04: R619.1 R620.1 U7.N6(GPIO1_IO04)
GPIO_EPDC_BDR0: J40.1(E1) R118.1 U7.K24(EPDC_BDR0)
GPIO_EPDC_BDR1: J41.1(E1) R117.1 U7.K23(EPDC_BDR1)
GPIO_EPDC_D0: R388.1 R392.1 TP11.1(PIN1) U7.P20(EPDC_D00)
GPIO_EPDC_D1: R389.1 R393.1 U7.P21(EPDC_D01)
GPIO_EPDC_D2: R390.1 R395.1 U7.N20(EPDC_D02)